# Altium PCB BW1098FFC.PcbDoc (part 1 of 3)
Units mm, origin at the board's own origin, x right, y up, seen from the top; angles counter-clockwise.
Board outline 60 x 40 mm, 4 copper layers (Top Copper, Signal Layer 1, Layer 1, Bottom Layer), stack 1.577 mm thick; 78 components, 101 nets, 382 pads, 311 vias.
Unrouted connection lines stored in the file: 1.
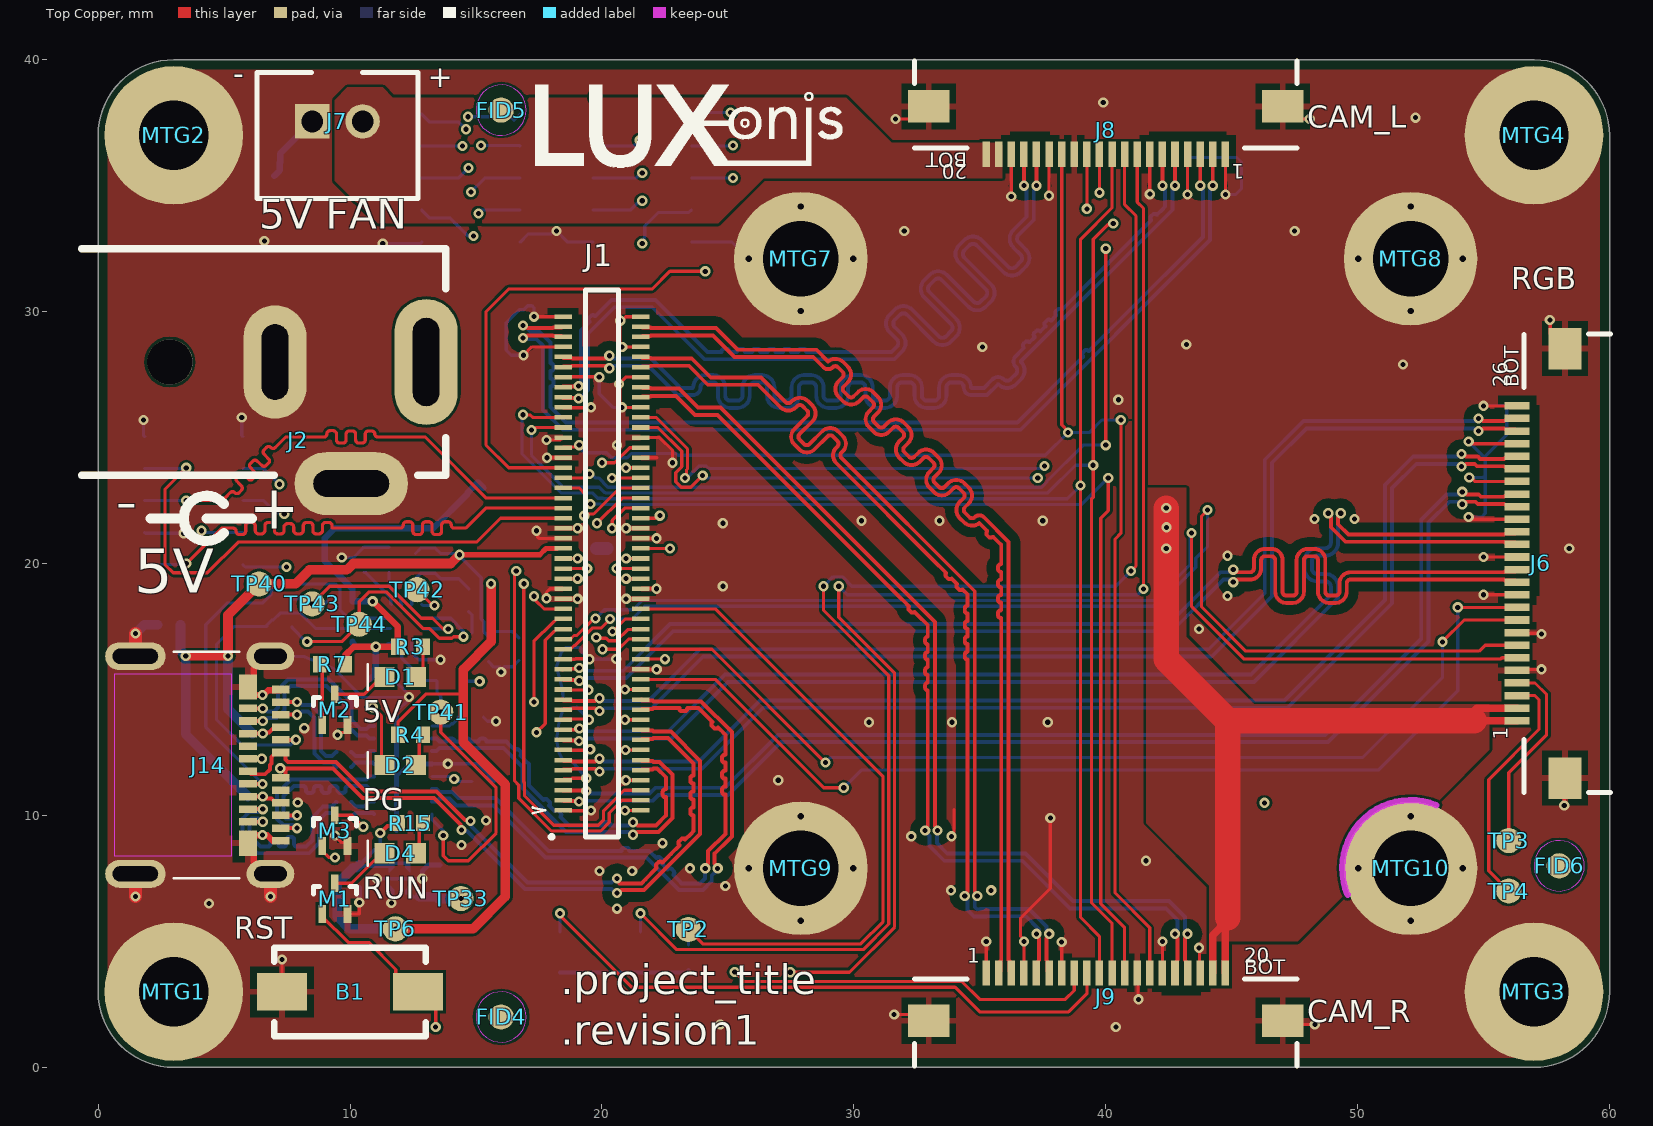
[diagram p0: Top Copper view]
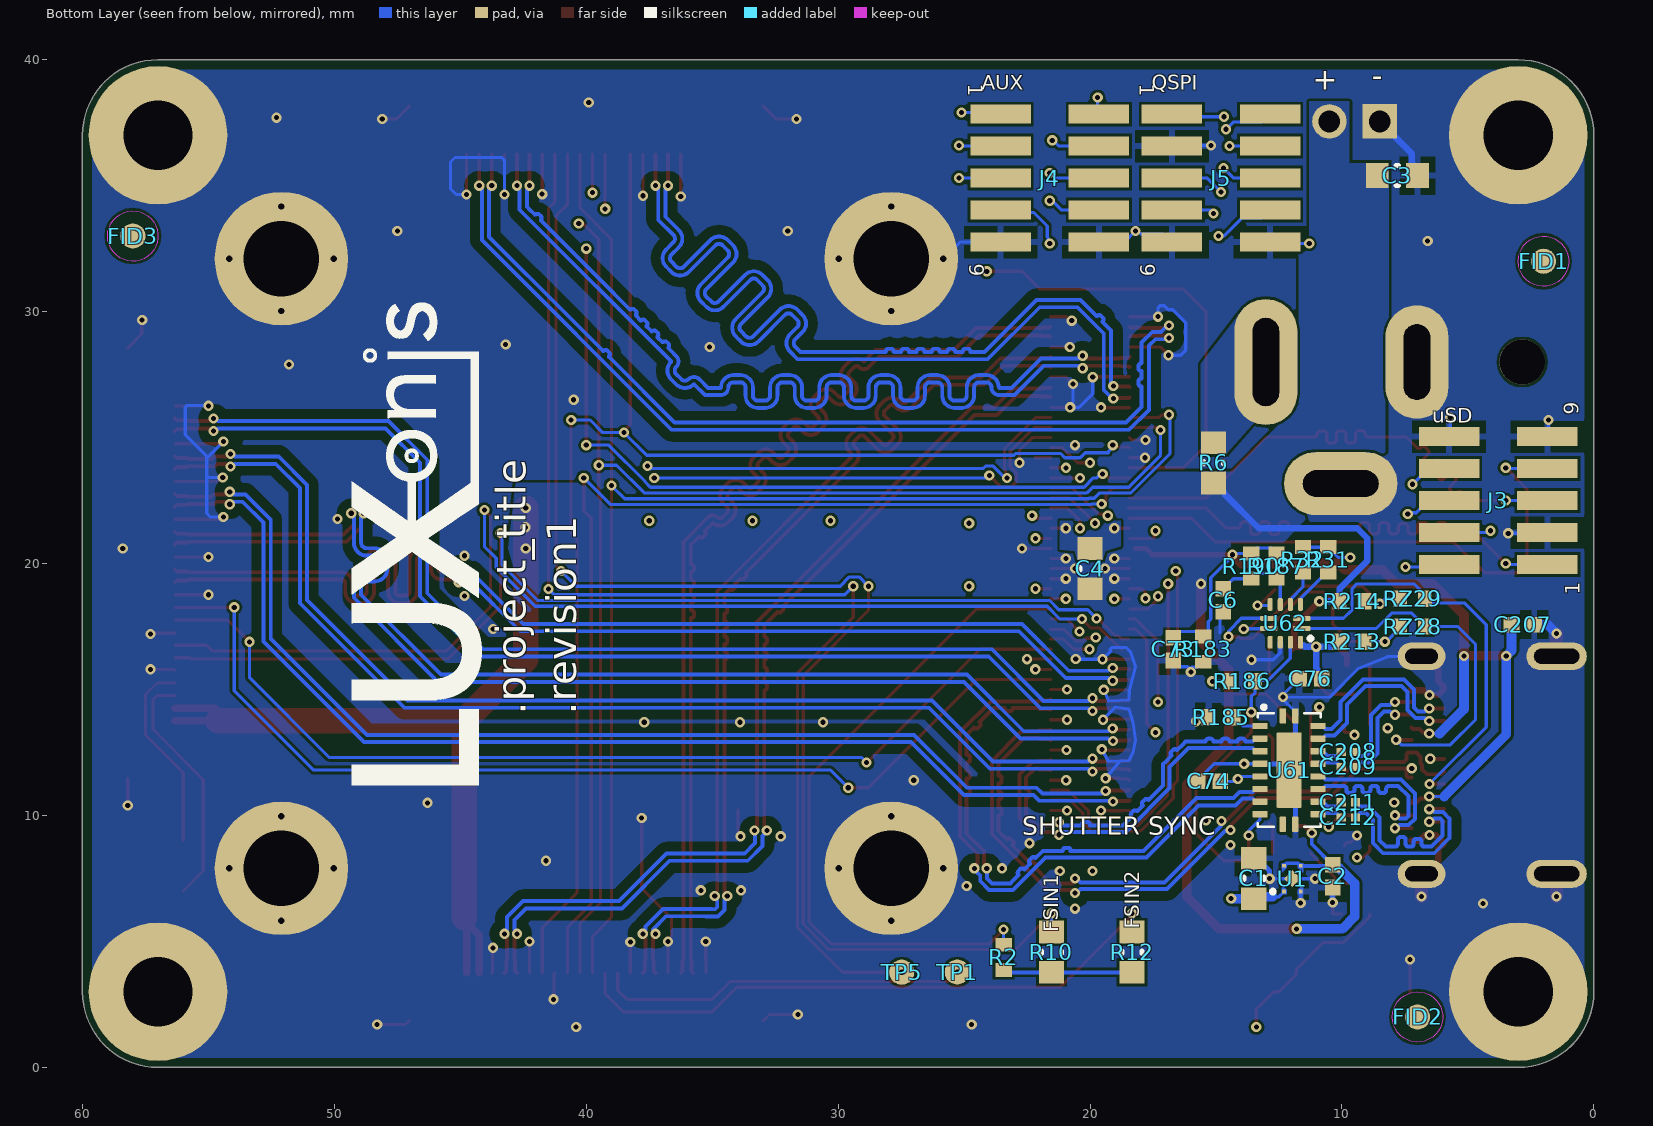
[diagram p1: Bottom Layer view, seen from below]
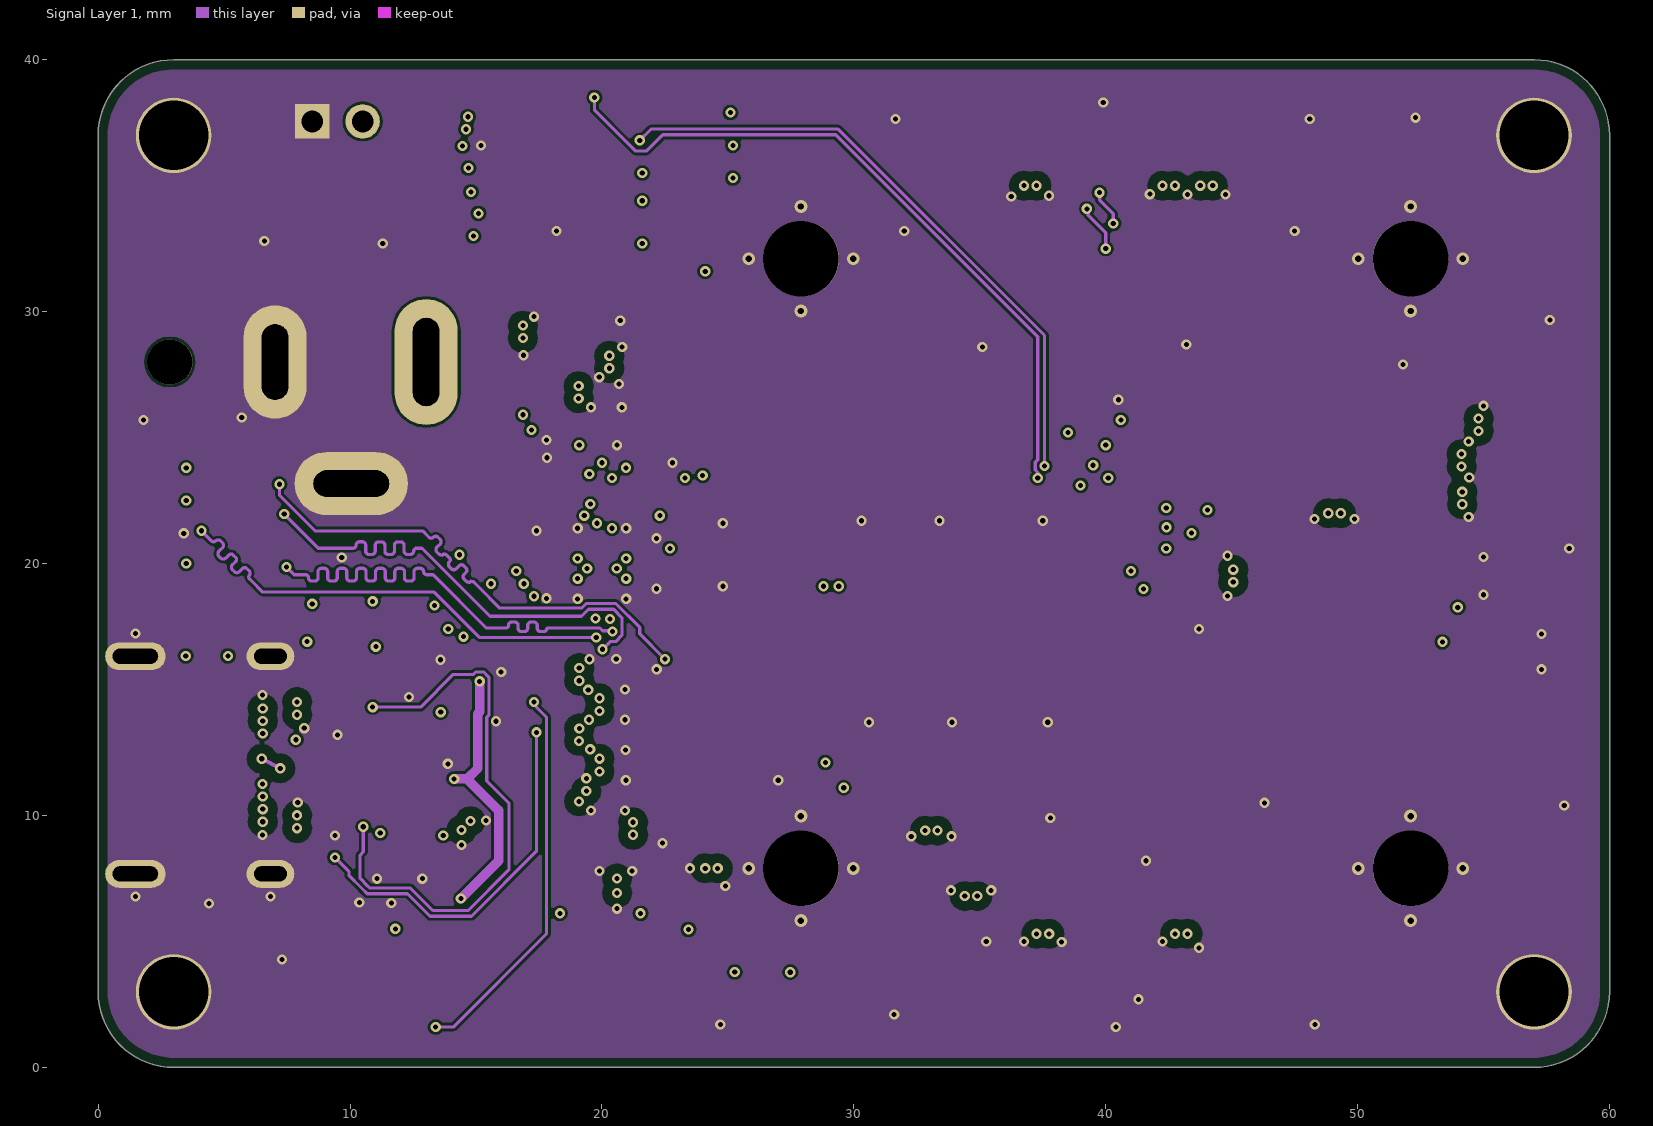
[diagram p2: Signal Layer 1]
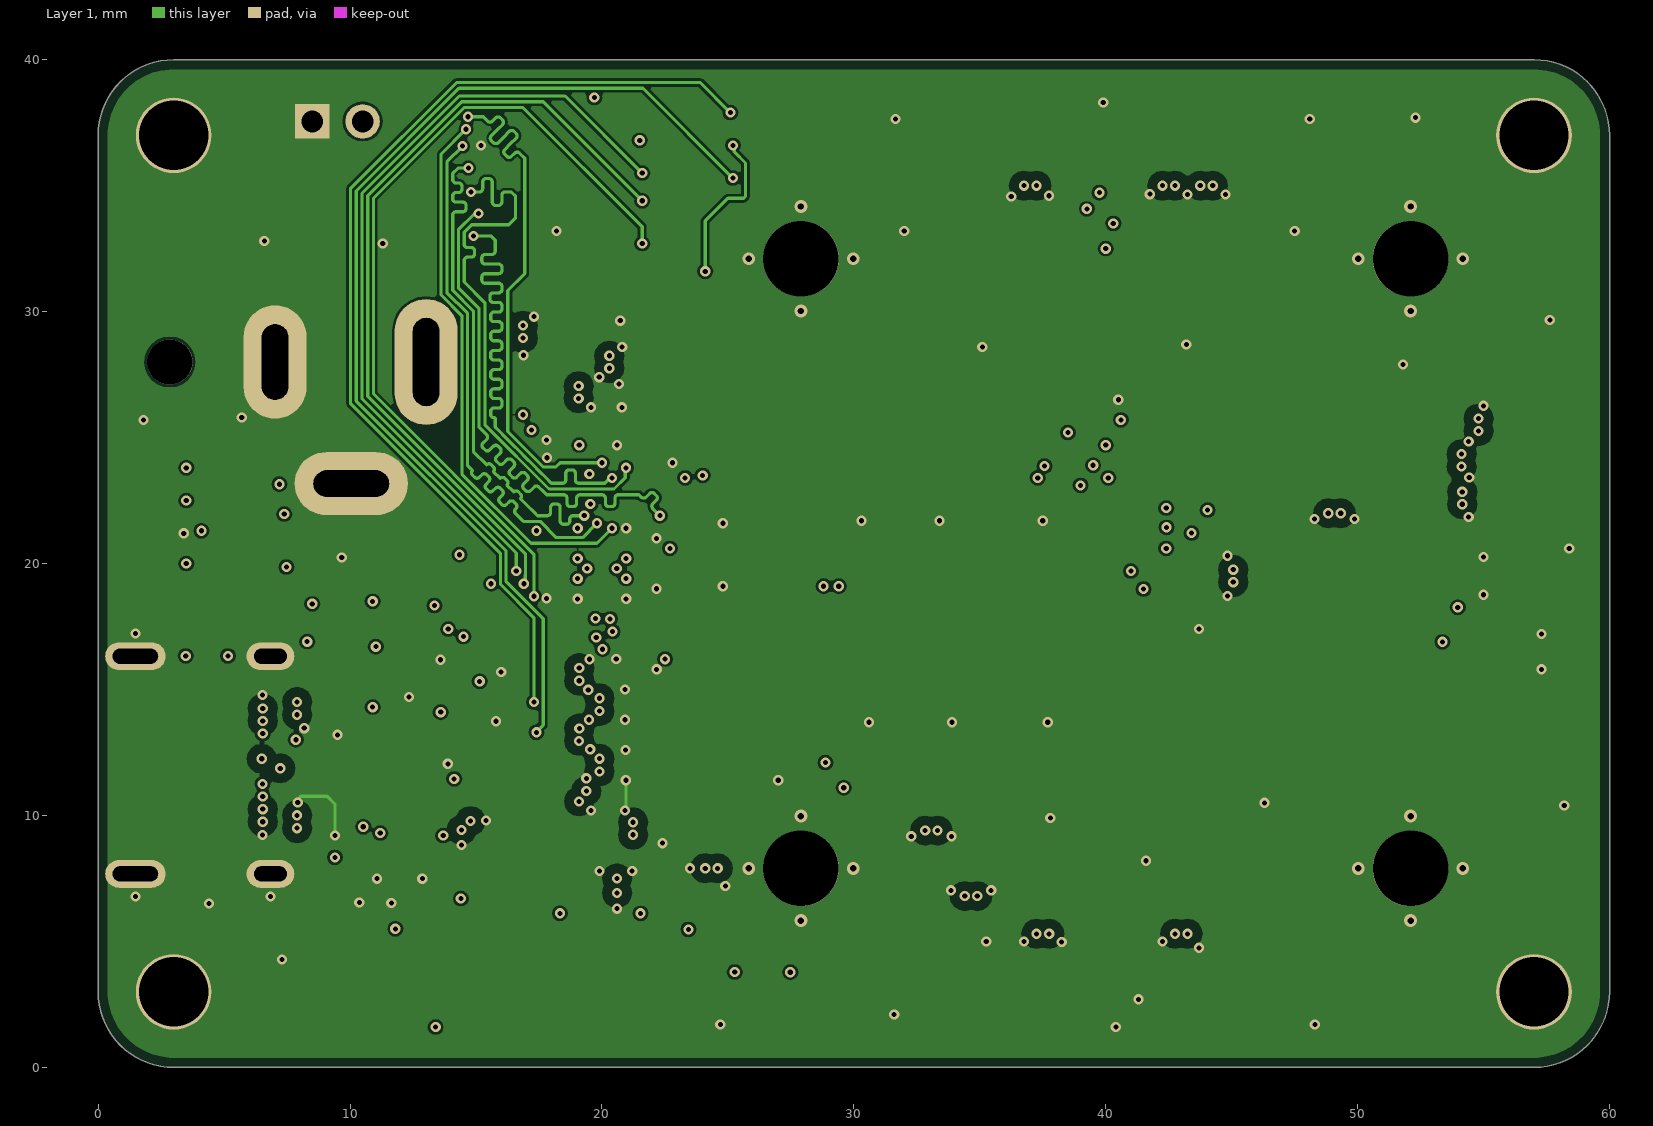
[diagram p3: Layer 1]
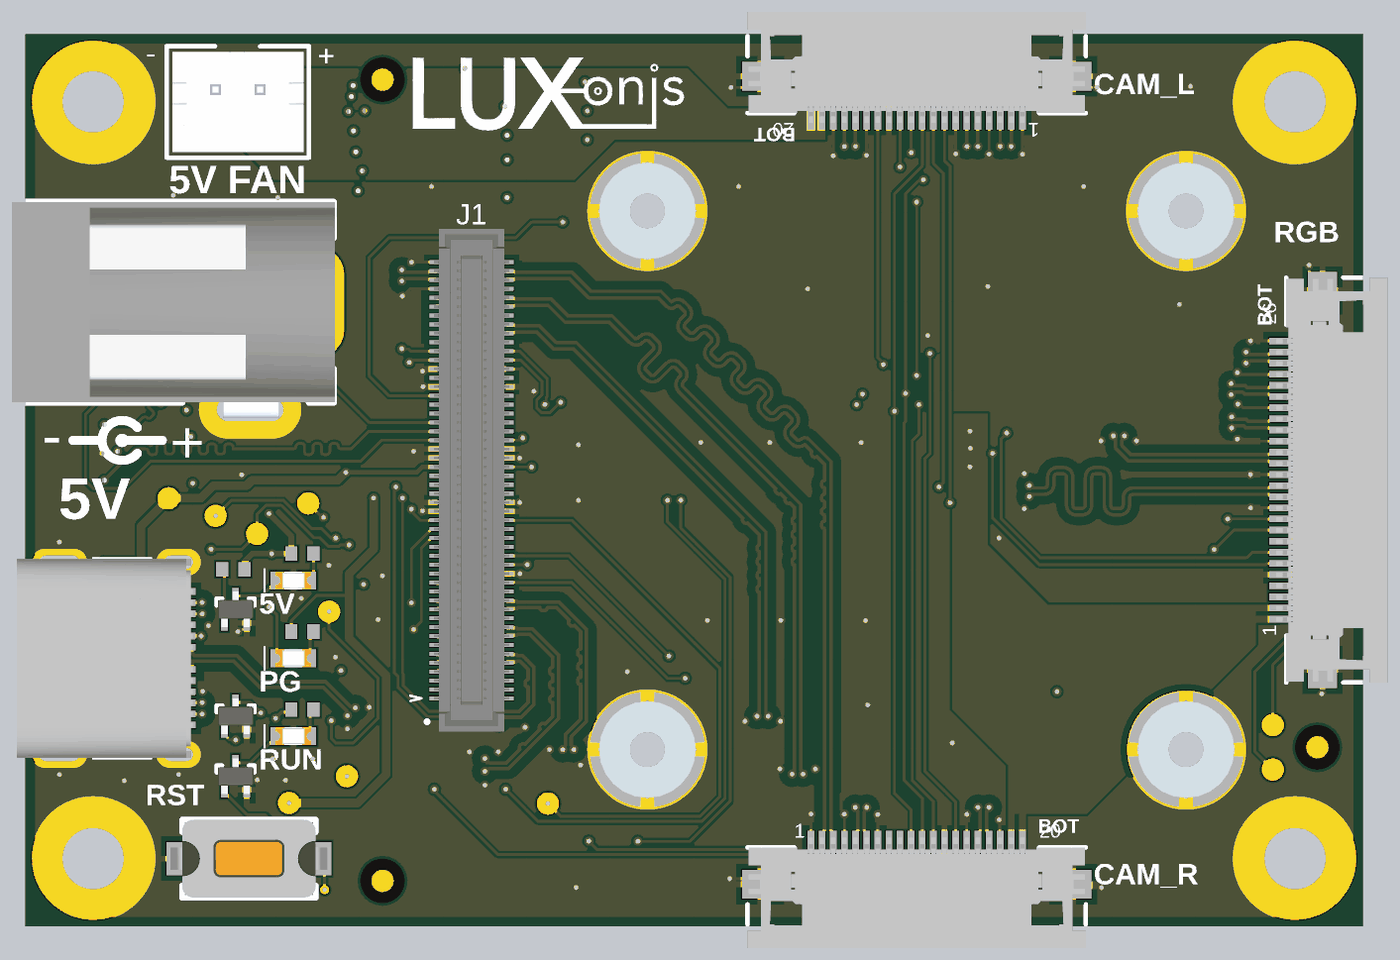
[diagram p6: 3D render of the assembled board from above, using the file's embedded part models]

## Layer stack, top to bottom
Top Mask: solder mask 0.015, Solder Resist, Dk 3.8
Top Copper: signal copper 0.043
Dielectric 1: prepreg 0.21, PP-022, Dk 4.2
Signal Layer 1: signal copper 0.0356
Core: core 1, Core-042, Dk 4.2
Layer 1: signal copper 0.0356
Dielectric 2: prepreg 0.21, PP-022, Dk 4.2
Bottom Layer: signal copper 0.043
Bottom Solder: solder mask 0.015, Solder Resist, Dk 3.8

## Board outline
0,3 0,37 cw(c3,37) 3,40 57,40 cw(c57,37) 60,37 60,3 cw(c57,3) 57,0 3,0 cw(c3,3)

## Design rules (kind name [scope] priority, off if disabled: settings)
AssemblyTestPointUsage [All] p1: valid=2
BoardOutlineClearance [All] p1: gap=0.381 ignorepadtopadclearanceinfootprint=FALSE
Clearance Diff_Pair_Spacing [(InDifferentialPairClass('All Differential Pairs'))] p1: gap=0.102 ignorepadtopadclearanceinfootprint=FALSE except(0.089: Via-Via; 0.381: Arc-Poly Track-Poly SMDPad-Poly THPad-Poly Via-Poly Fill-Poly Poly-Poly)
Clearance general [All] p2: gap=0.102 ignorepadtopadclearanceinfootprint=FALSE except(0.089: Via-Via)
ComponentClearance [All] p1: gap=0 collisioncheckmode=3 verticalgap=0 showdistances=FALSE
DiffPairsRouting 90ohm_diff_pair [InDifferentialPairClass('90ohm')] p1: maxlimit=0.254 minlimit=0.102 mostfreqgap=0.254 toplayer_maxgap=0.102 toplayer_prefgap=0.102 toplayer_minwidth=0.158 toplayer_maxwidth=0.178 toplayer_prefwidth=0.158 bottomlayer_maxgap=0.102 bottomlayer_prefgap=0.102 bottomlayer_minwidth=0.158 bottomlayer_maxwidth=0.178 bottomlayer_prefwidth=0.158 impedanceprofiledriven=TRUE impedanceprofileid={952285E7-FDC5-4232-BCEC-99110E1B221D} impedanceprofilevalue=90.000000 maxuncoupledlength=12.7
DiffPairsRouting 90ohm_diff_pair_1 [InDifferentialPairClass('USB3')] p2: maxlimit=0.254 minlimit=0.102 mostfreqgap=0.254 toplayer_maxgap=0.102 toplayer_prefgap=0.102 toplayer_minwidth=0.158 toplayer_maxwidth=0.178 toplayer_prefwidth=0.158 bottomlayer_maxgap=0.102 bottomlayer_prefgap=0.102 bottomlayer_minwidth=0.158 bottomlayer_maxwidth=0.178 bottomlayer_prefwidth=0.158 impedanceprofiledriven=TRUE impedanceprofileid={952285E7-FDC5-4232-BCEC-99110E1B221D} impedanceprofilevalue=90.000000 maxuncoupledlength=12.7
DiffPairsRouting 100ohm_Diff_pair [InDifferentialPairClass('100ohm')] p3: maxlimit=0.254 minlimit=0.102 mostfreqgap=0.254 toplayer_maxgap=0.138 toplayer_prefgap=0.138 toplayer_minwidth=0.127 toplayer_maxwidth=0.152 toplayer_prefwidth=0.152 bottomlayer_maxgap=0.138 bottomlayer_prefgap=0.138 bottomlayer_minwidth=0.127 bottomlayer_maxwidth=0.152 bottomlayer_prefwidth=0.152 impedanceprofiledriven=TRUE impedanceprofileid={C63F56B9-9581-4AB0-AB66-AAEC8489C335} impedanceprofilevalue=100.000000 maxuncoupledlength=12.7
FabricationTestPointUsage [All] p1: valid=2 allowmultiple=FALSE
HoleSize [All] p1: absolutevalues=TRUE maxlimit=3.81 minlimit=0.025 maxpercent=80.000 minpercent=20.000
HoleToHoleClearance [All] p1: gap=0.254 allowstackedmicrovias=FALSE
MatchedLengths "Schematic Matched Net Lengths_1" [InNetClass('SPI')] p1: tolerance=2.54 checknetsindiffpair=FALSE checkdiffpairvsdiffpair=TRUE checkxsignals=TRUE checkothers=TRUE
MatchedLengths "Schematic Matched Net Lengths" [InNetClass('SDIO')] p2: tolerance=2.54 checknetsindiffpair=FALSE checkdiffpairvsdiffpair=TRUE checkxsignals=TRUE checkothers=TRUE
MatchedLengths MIPI_CAM_A [InNetClass('MIPI_CAM_A')] p3: tolerance=0.127 checknetsindiffpair=FALSE checkdiffpairvsdiffpair=TRUE checkxsignals=TRUE checkothers=TRUE
MatchedLengths MIPI_CAM_B [InNetClass('MIPI_CAM_B')] p4: tolerance=0.127 checknetsindiffpair=FALSE checkdiffpairvsdiffpair=TRUE checkxsignals=TRUE checkothers=TRUE
MatchedLengths MIPI_CAM_C [InNetClass('MIPI_CAM_C')] p5: tolerance=0.127 checknetsindiffpair=FALSE checkdiffpairvsdiffpair=TRUE checkxsignals=TRUE checkothers=TRUE
MatchedLengths DIFF_PAIR [(InDifferentialPairClass('All Differential Pairs'))] p6: tolerance=0.127 checknetsindiffpair=TRUE checkdiffpairvsdiffpair=FALSE checkxsignals=FALSE checkothers=FALSE
MinimumSolderMaskSliver [All] p1: minsoldermaskwidth=0.076
PlaneConnect [All] p1: pad.planeconnectstyle=Relief pad.reliefexpansion=0.508 pad.reliefentries=4 pad.reliefconductorwidth=0.254 pad.reliefairgap=0.254 via.planeconnectstyle=Direct via.reliefexpansion=0.508 via.reliefentries=4 via.reliefconductorwidth=0.254 via.reliefairgap=0.254
PolygonConnect OuterLayerGND_PolyClass [InPolygonClass('OuterGND')] p1: thpad.connectstyle=Direct thpad.reliefconductorwidth=0.254 thpad.reliefentries=4 thpad.polygonreliefangle="90 Angle" thpad.airgapwidth=0.254 smdpad.connectstyle=Relief smdpad.reliefconductorwidth=0.254 smdpad.reliefentries=4 smdpad.polygonreliefangle="90 Angle" smdpad.airgapwidth=0.254 via.connectstyle=Direct via.reliefconductorwidth=0.254 via.reliefentries=4 via.polygonreliefangle="90 Angle" via.airgapwidth=0.254
PolygonConnect GenericPoly [All] p2: connectstyle=Direct reliefconductorwidth=0.254 reliefentries=4 polygonreliefangle="90 Angle" airgapwidth=0.254
RoutingVias [All] p1: holewidth=0.254 width=0.508 viastyle="Through Hole" minholewidth=0.203 minwidth=0.406 maxholewidth=25.4 maxwidth=25.4 viatemplateguid#1={131ED2CF-21CB-4A9C-A689-A4CEDEDCBAE6} viatemplatename#1=v41h20m0mx0
SilkToSilkClearance [All] p1: silktosilkclearance=0.127
SilkToSolderMaskClearance SilkscreenOverComponentPads [IsPad] p1: minsilkscreentomaskgap=0 clearancetoexposedcopper=FALSE
SolderMaskExpansion [All] p1: expansion=0.051 istentingtop=FALSE
UnRoutedNet [All] p1: checkbadconnections=TRUE
Width [All] p1: maxlimit=2.54 minlimit=0.127 preferedwidth=0.127
19 further rules are at their usual default settings.

## Classes and differential pairs
net class SPI: SPI_SCK SPI_SIO0 SPI_SIO1 SPI_SIO2 SPI_SIO3 SPI_SS_0 SPI_SS_1
net class SDIO: SD_HST0_CD SD_HST0_CLK SD_HST0_CMD SD_HST0_D0 SD_HST0_D1 SD_HST0_D2 SD_HST0_D3 SD_HST0_D4
differential pair class 90ohm: USB_D USB_RX USB_TX
polygon class OuterGND: L1_GND L4_GND
differential pair class USB3: RXB RXB1 RXC RXC1 TXB TXB1 TXB2 TXC TXC1 TXC2 USB_D USB_D_1 USB_RX USB_TX
differential pair class 100ohm: CAM_L_C CAM_L_D0 CAM_L_D1 CAM_R_C CAM_R_D0 CAM_R_D1 MIPI_C MIPI_D0 MIPI_D1 MIPI_D2 MIPI_D3 MIPI_RX2_C MIPI_RX2_D0 MIPI_RX2_D1 MIPI_RX3_C MIPI_RX3_D0 MIPI_RX3_D1 MIPI_RX4_C MIPI_RX4_D0 MIPI_RX4_D1 MIPI_RX5_D0 MIPI_RX5_D1
net class Power_trace: 5V_IN VDD_5V
net class MIPI_CAM_C: CAM_R_C_N CAM_R_C_P CAM_R_D0_N CAM_R_D0_P CAM_R_D1_N CAM_R_D1_P
net class MIPI_CAM_B: CAM_L_C_N CAM_L_C_P CAM_L_D0_N CAM_L_D0_P CAM_L_D1_N CAM_L_D1_P
net class MIPI_CAM_A: MIPI_C_N MIPI_C_P MIPI_D0_N MIPI_D0_P MIPI_D1_N MIPI_D1_P MIPI_D2_N MIPI_D2_P MIPI_D3_N MIPI_D3_P
component class U_BW1098FFC_USB: C6 C73 C74 C76 C207 C208 C209 C211 C212 J14 R31 R32 R183 R185 R186 R187 R190 R213 R214 RZ28 RZ29 TP40 TP41 TP42 TP43 TP44 U61 U62
component class U_BW1098FFC_MIPI_CAM: D9 D10 D11 D12 D13 D14 J6 J8 J9 R2 R10 R12 TP1 TP3 TP4 TP5
component class U_BW1098FFC_Connector: B1 J1 J3 J4 J5 TP2 TP6
component class BW1098FFC_TopLevel: C1 C2 C3 C4 D1 D2 D4 FID1 FID2 FID3 FID4 FID5 FID6 J2 J7 M1 M2 M3 MTG1 MTG2 MTG3 MTG4 MTG7 MTG8 MTG9 MTG10 R3 R4 R6 R7 R15 TP33 U1
differential pair CAM_R_D1: +CAM_R_D1_P -CAM_R_D1_N
differential pair CAM_R_D0: +CAM_R_D0_P -CAM_R_D0_N
differential pair CAM_R_C: +CAM_R_C_P -CAM_R_C_N
differential pair CAM_L_D1: +CAM_L_D1_P -CAM_L_D1_N
differential pair CAM_L_D0: +CAM_L_D0_P -CAM_L_D0_N
differential pair CAM_L_C: +CAM_L_C_P -CAM_L_C_N
differential pair USB_TX: +USB_TX_P -USB_TX_N
differential pair USB_RX: +USB_RX_P -USB_RX_N
differential pair USB_D: +USB_D_P -USB_D_N
differential pair TXC: +TXC_P -TXC_N
differential pair TXC1: +TXC1_P -TXC1_N
differential pair TXB: +TXB_P -TXB_N
differential pair TXB1: +TXB1_P -TXB1_N
differential pair RXC: +RXC_P -RXC_N
differential pair RXB: +RXB_P -RXB_N
differential pair MIPI_D3: +MIPI_D3_P -MIPI_D3_N
differential pair MIPI_D2: +MIPI_D2_P -MIPI_D2_N
differential pair MIPI_D1: +MIPI_D1_P -MIPI_D1_N
differential pair MIPI_D0: +MIPI_D0_P -MIPI_D0_N
differential pair MIPI_C: +MIPI_C_P -MIPI_C_N
